# Altium PCB SCCM.PcbDoc (part 1 of 2)
Units mm, origin at the board's own origin, x right, y up, seen from the top; angles counter-clockwise.
Board outline 70.99 x 61.72 mm, 2 copper layers (Top Layer, Bottom Layer), stack 1.671 mm thick; 172 components, 92 nets, 528 pads, 418 vias.
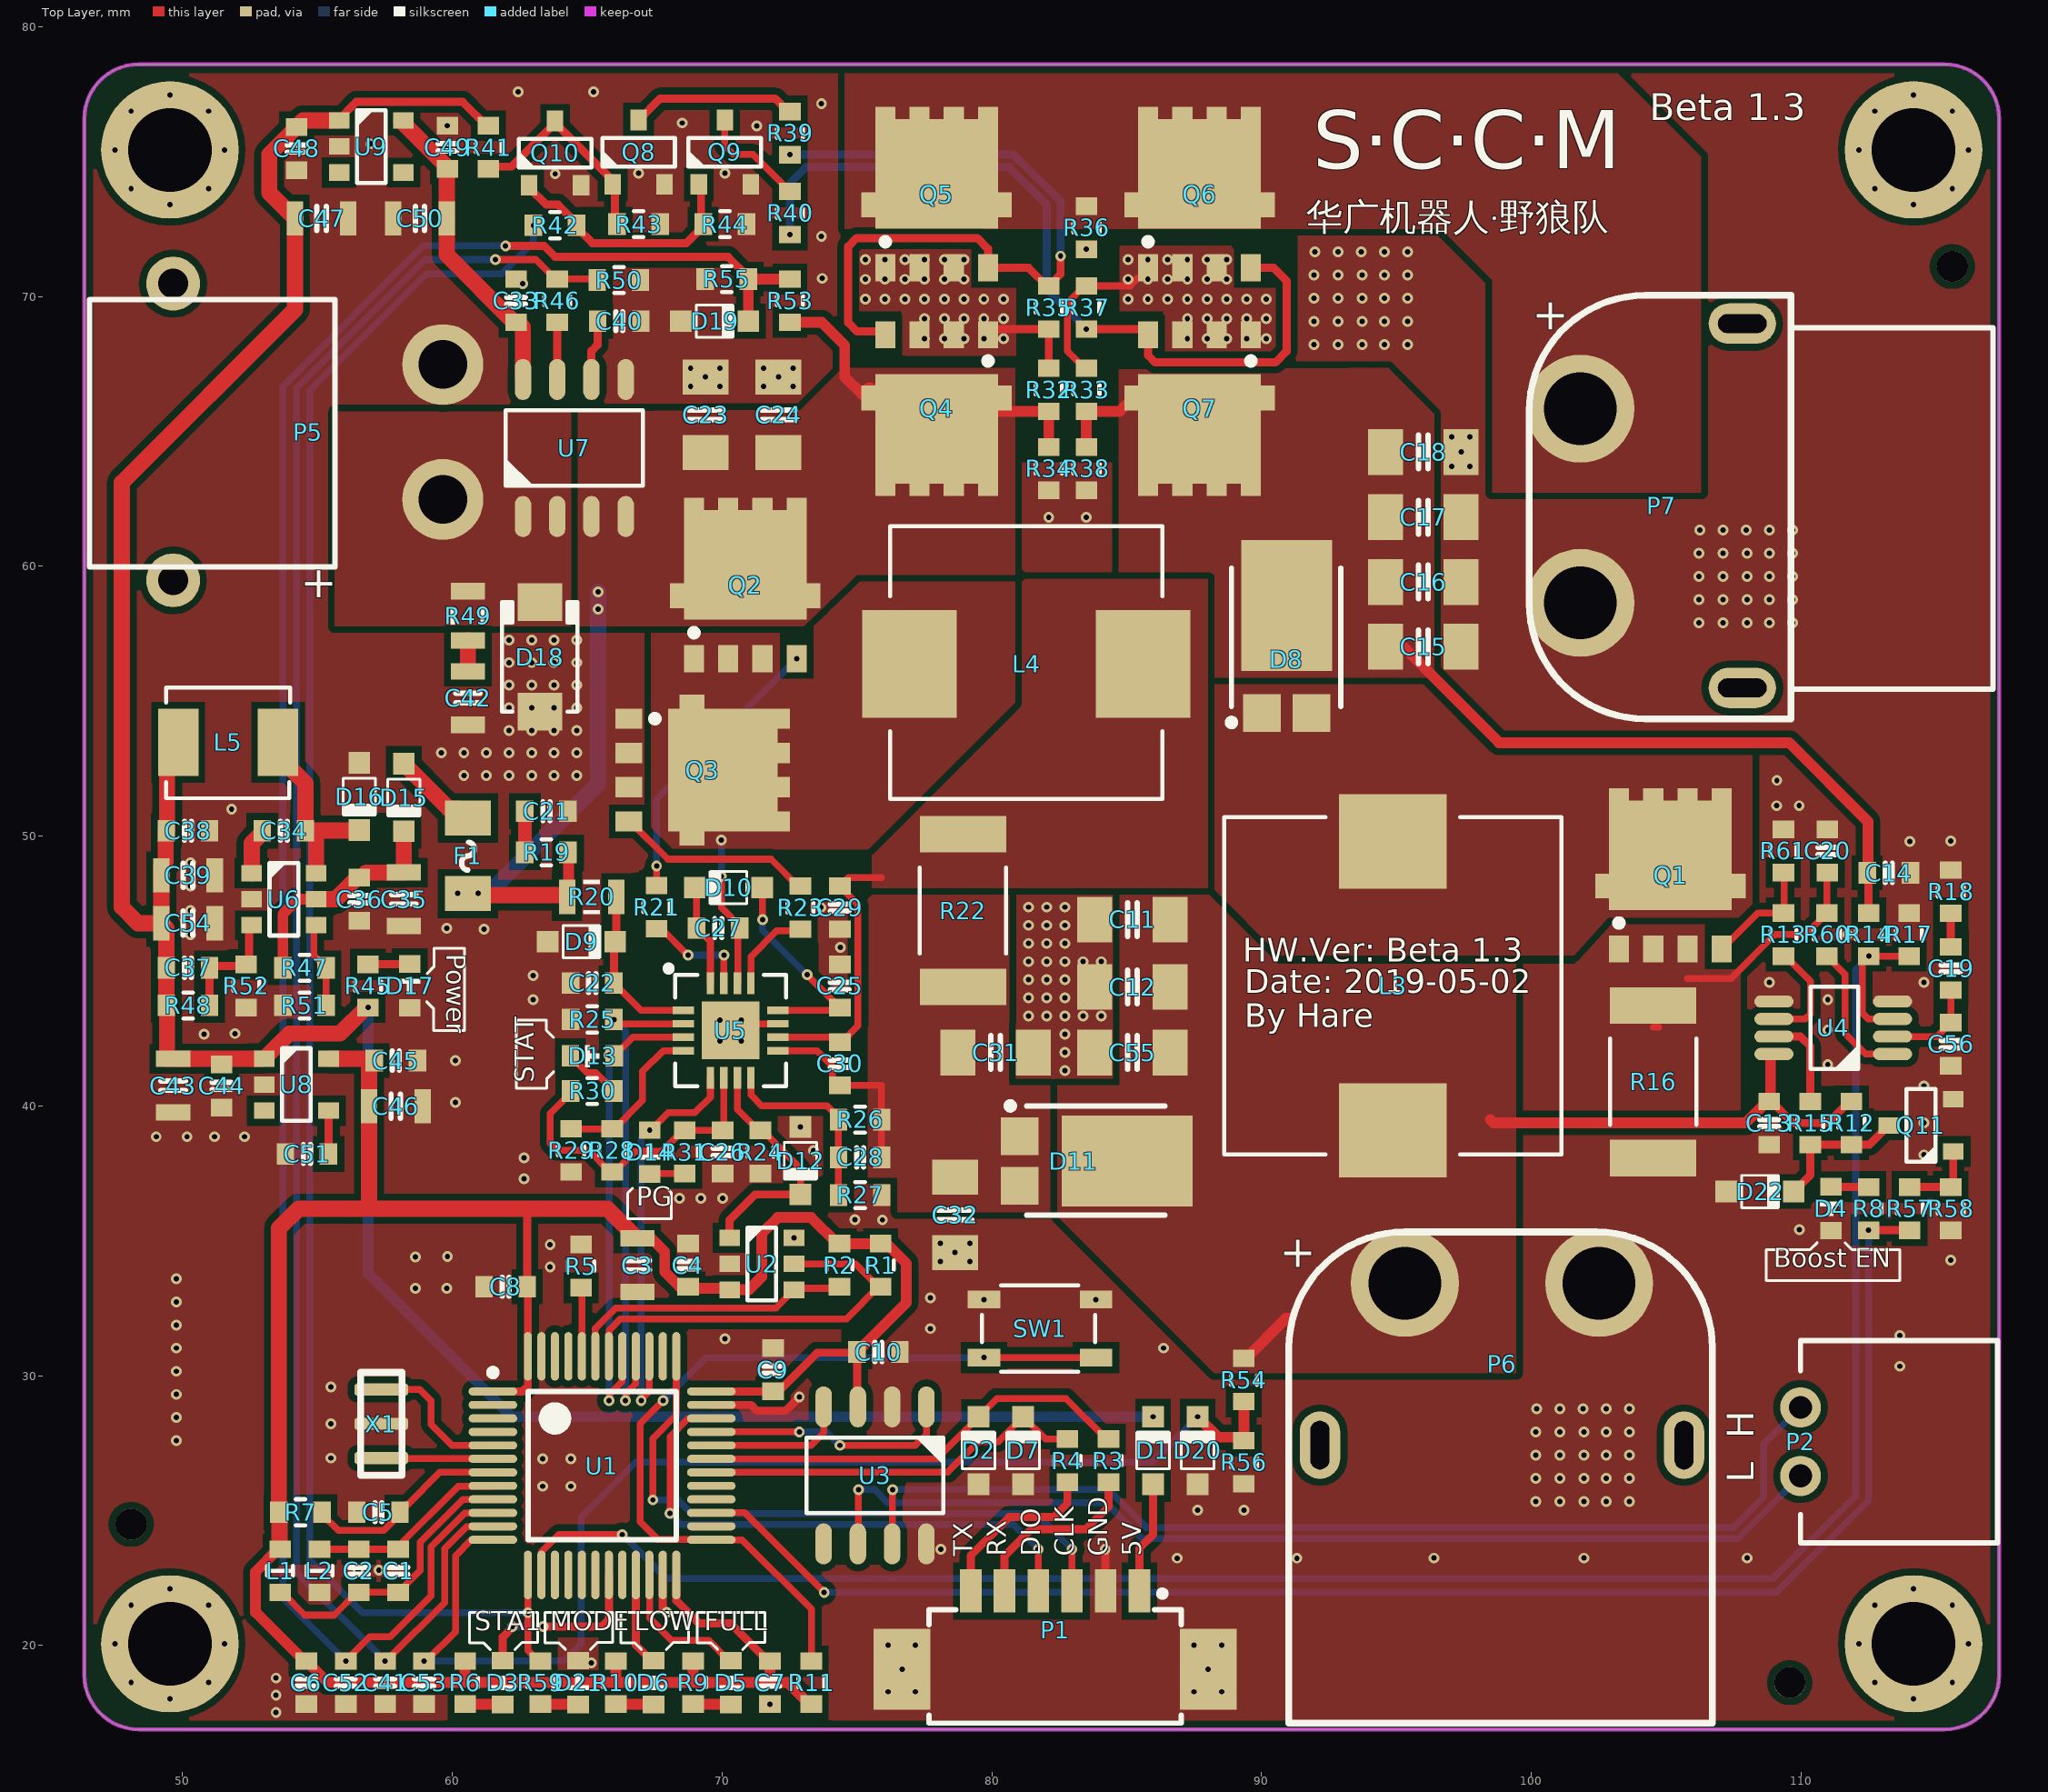
[diagram p0: Top Layer view]
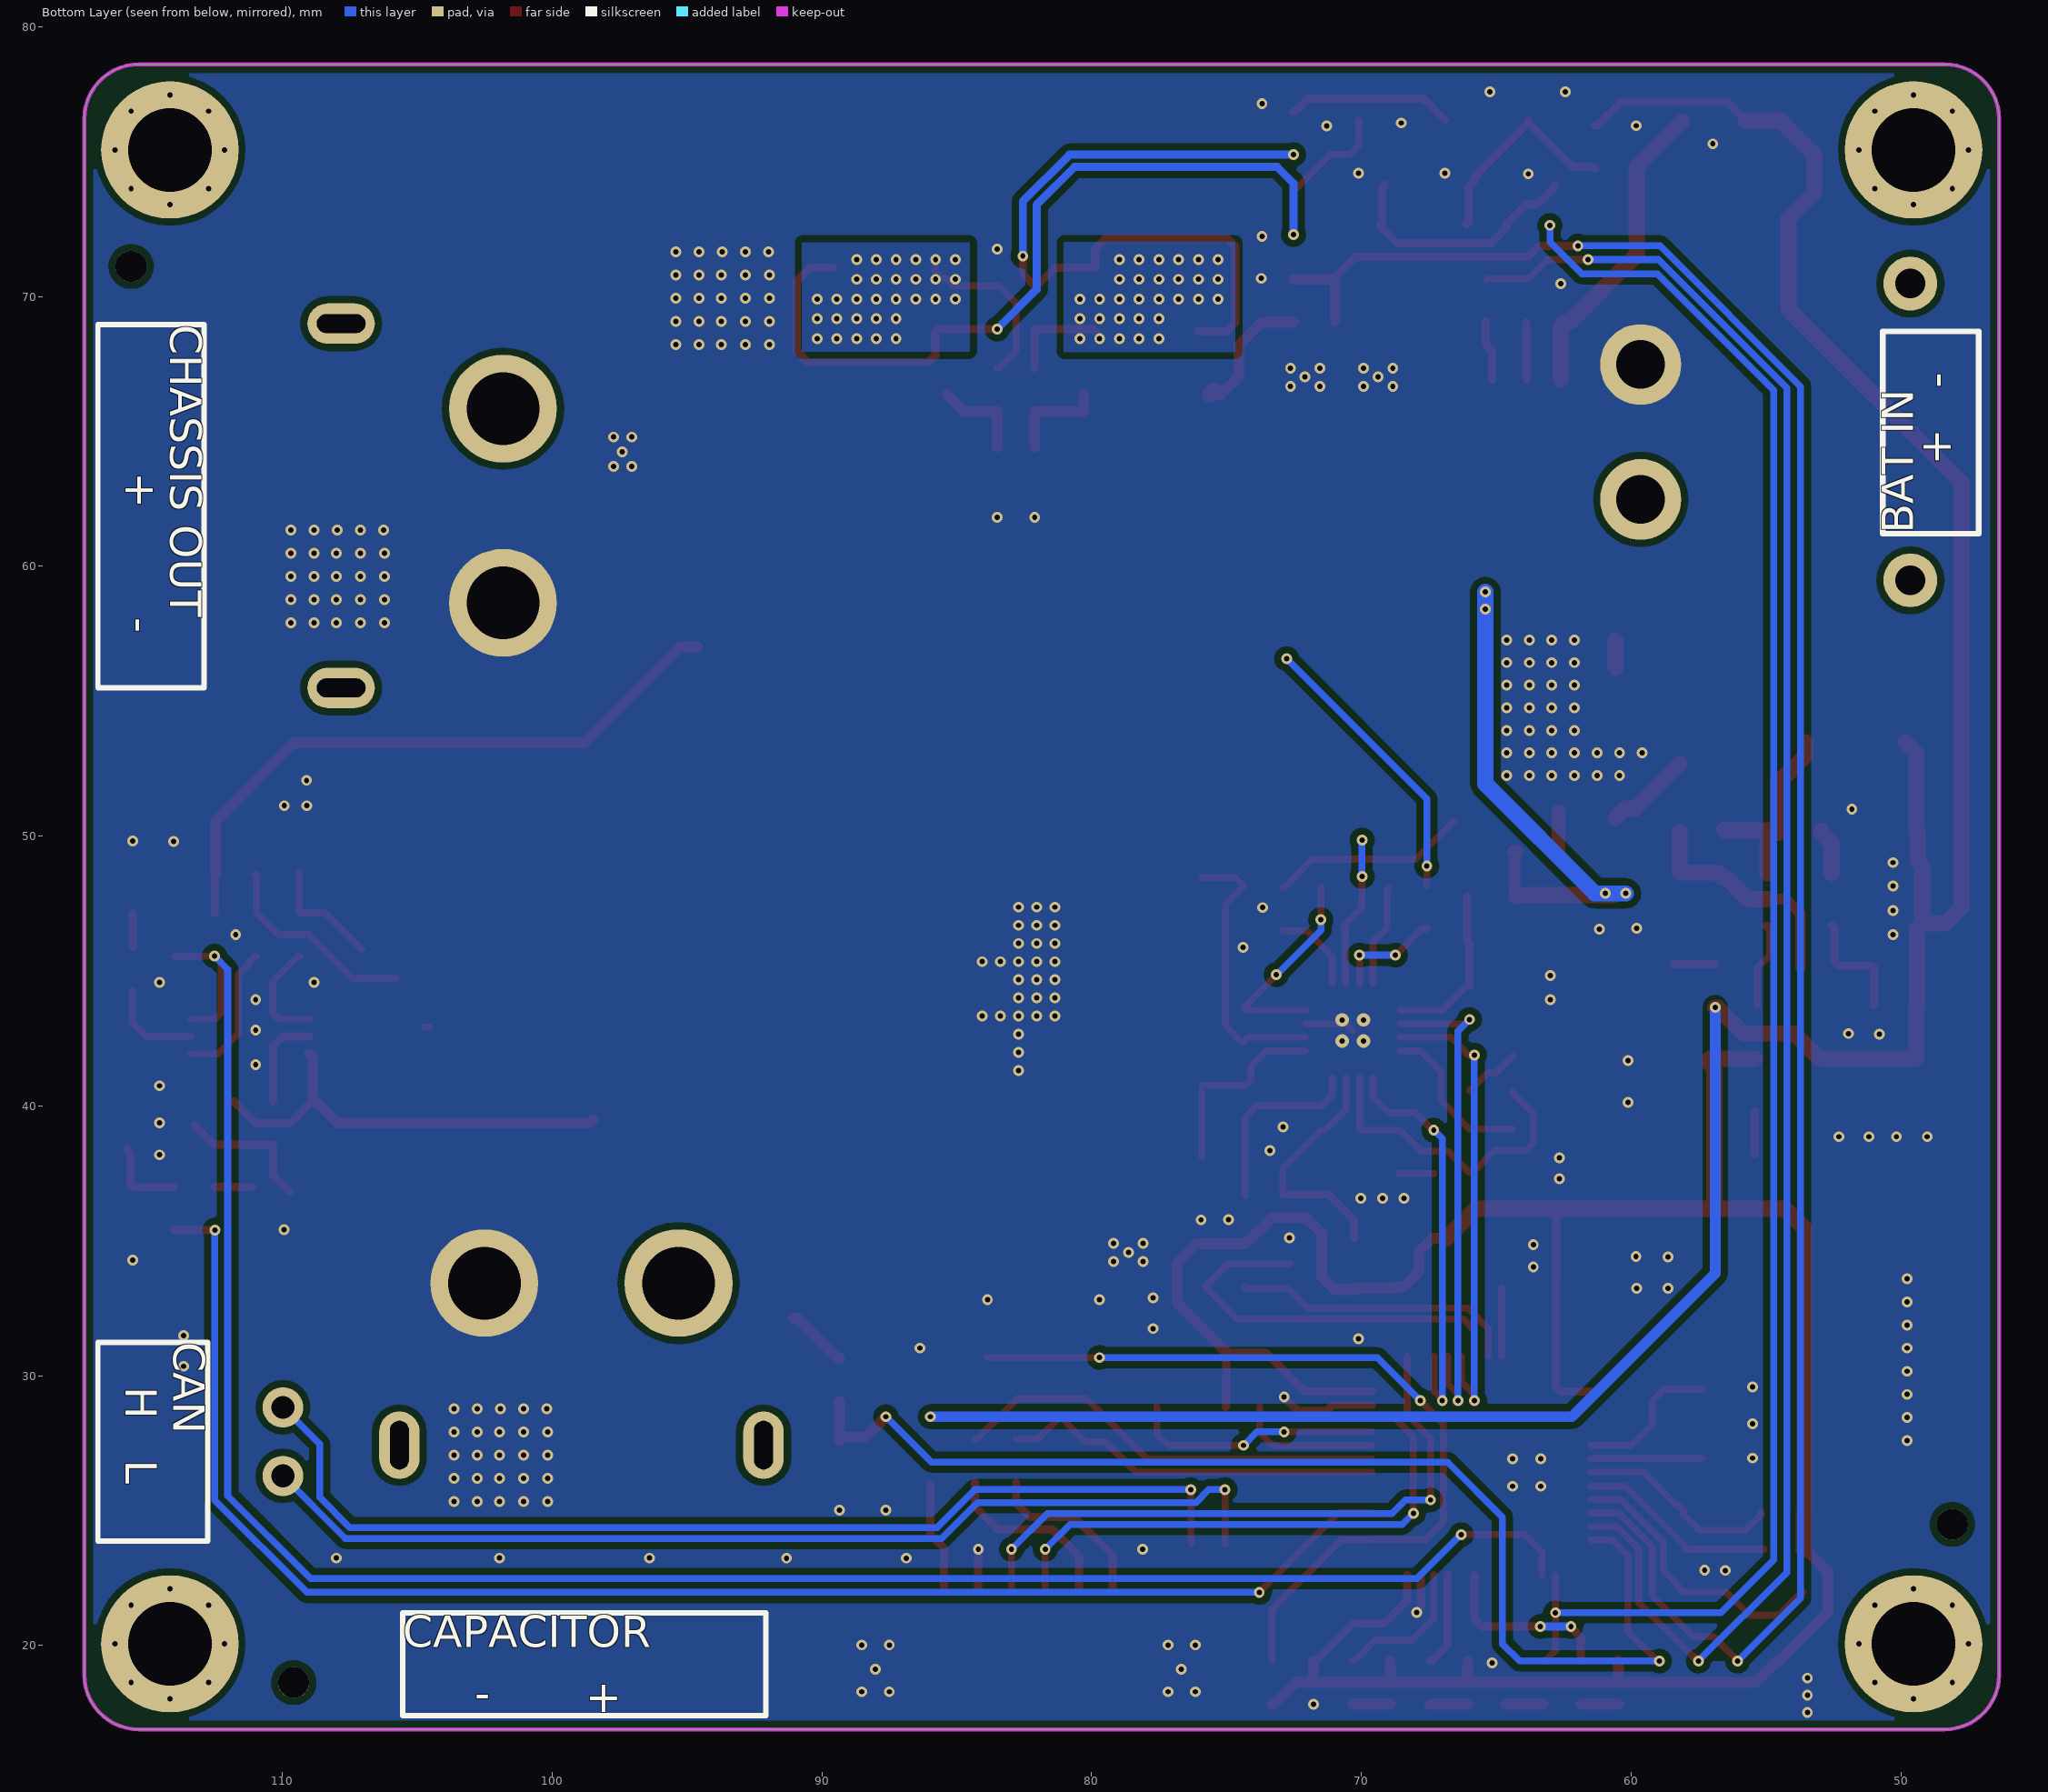
[diagram p1: Bottom Layer view, seen from below]
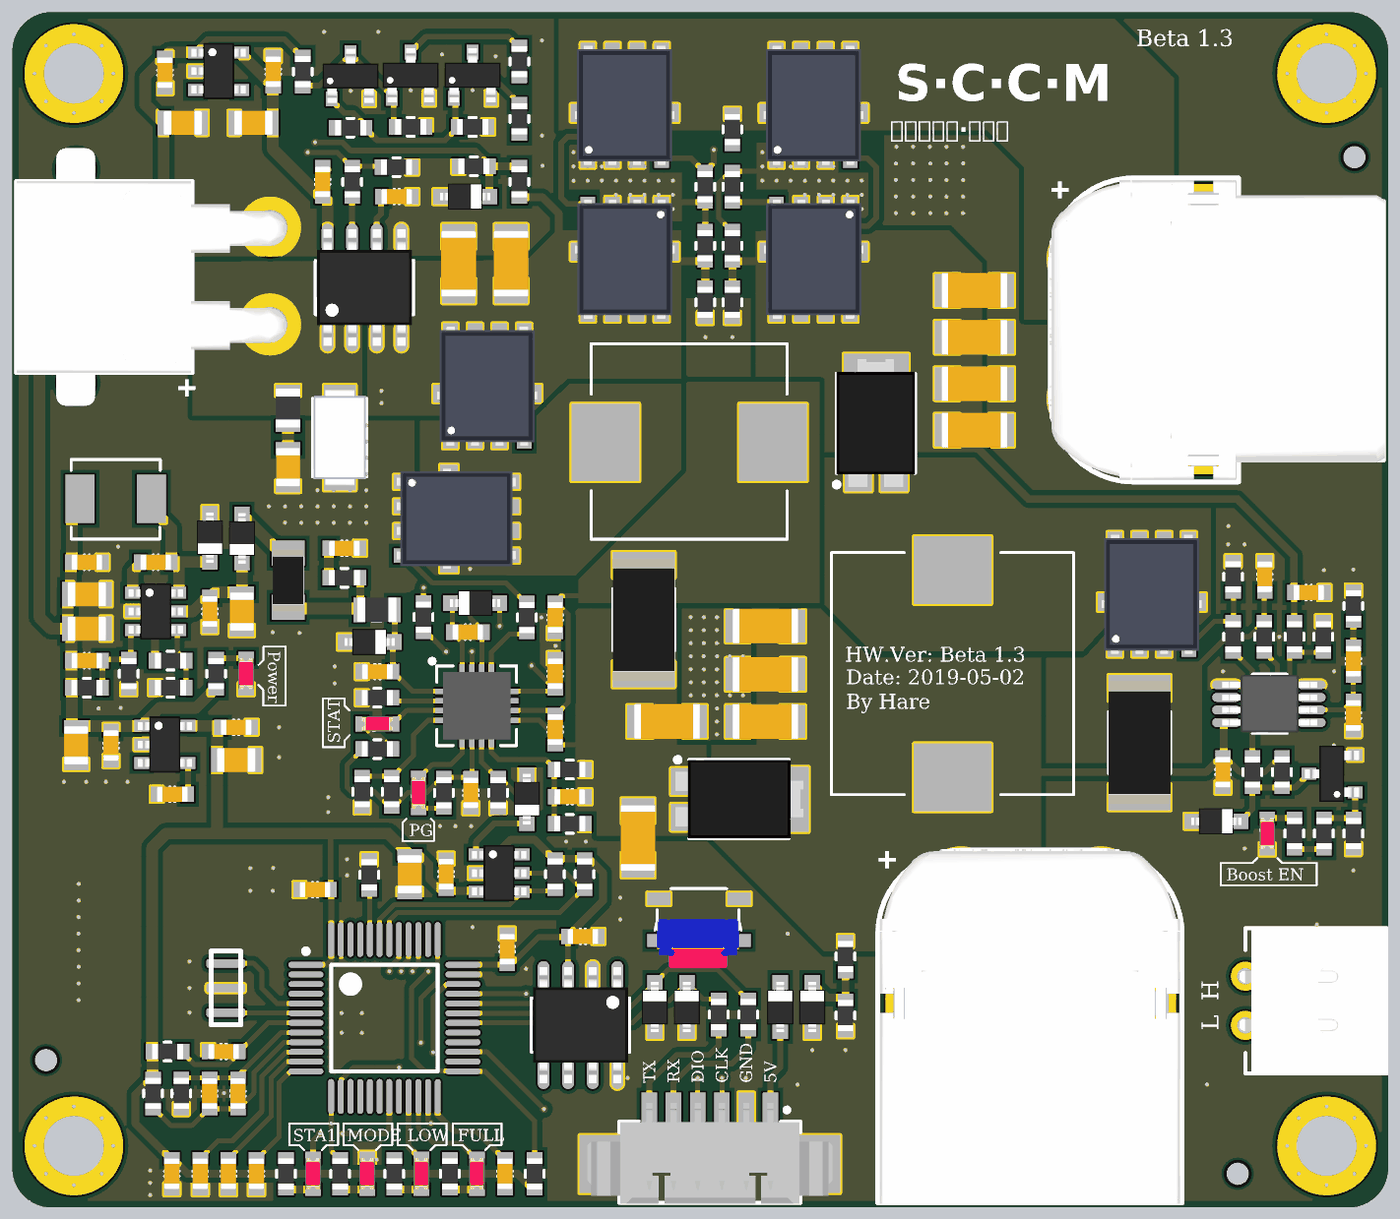
[diagram p3: 3D render of the assembled board from above, using the file's embedded part models]

## Layer stack, top to bottom
Top Solder: solder mask 0.0102, Solder Resist, Dk 3.5
Top Layer: signal copper 0.0356
Dielectric 1: dielectric 1.6, FR-4, Dk 4.8
Bottom Layer: signal copper 0.0356
Bottom Solder: solder mask 0.0102, Solder Resist, Dk 3.5

## Board outline
48.387,16.891 cw(c48.387,18.923) 46.355,18.923 46.355,76.581 cw(c48.387,76.581) 48.387,78.613 52.197,78.613 115.316,78.613 cw(c115.316,76.581) 117.348,76.581 117.348,18.923 cw(c115.316,18.923) 115.316,16.891 110.109,16.891

## Design rules (kind name [scope] priority, off if disabled: settings)
Clearance Clearance_Polyon [InPolygon] p1: gap=0.254 ignorepadtopadclearanceinfootprint=FALSE except(0: Arc-Hole Track-Hole SMDPad-Hole THPad-Hole Via-Hole Fill-Hole Poly-Hole Region-Hole Text-Hole)
Clearance [All] p2: gap=0.15 ignorepadtopadclearanceinfootprint=FALSE except(0: Arc-Hole Track-Hole SMDPad-Hole THPad-Hole Via-Hole Fill-Hole Poly-Hole Region-Hole Text-Hole)
ComponentClearance [All] p1 off: gap=0.254 collisioncheckmode=3 verticalgap=2540 showdistances=FALSE
HoleToHoleClearance [All] p1: gap=0.1 allowstackedmicrovias=TRUE
PlaneClearance [All] p1: clearance=0.254
PlaneConnect [All] p1: planeconnectstyle=Direct reliefexpansion=0.508 reliefentries=4 reliefconductorwidth=0.254 reliefairgap=0.254
PolygonConnect PolygonConnect_PORT [HasFootprint('Molex-53261-0471')] p1 off: connectstyle=Relief reliefconductorwidth=0.254 reliefentries=4 polygonreliefangle="90 Angle" airgapwidth=0.254
PolygonConnect PolygonConnect_BTN [HasFootprint('KEY-YD-3414')] p2 off: connectstyle=Relief reliefconductorwidth=0.254 reliefentries=4 polygonreliefangle="90 Angle" airgapwidth=0.254
PolygonConnect PolygonConnect_CAP [HasFootprint('CAP-0603-L')] p3 off: connectstyle=Relief reliefconductorwidth=0.254 reliefentries=4 polygonreliefangle="90 Angle" airgapwidth=0.254
PolygonConnect PolygonConnect_Res [HasFootprint('R-0603-L')] p4 off: connectstyle=Relief reliefconductorwidth=0.4 reliefentries=4 polygonreliefangle="90 Angle" airgapwidth=0.254
PolygonConnect [All] p5: connectstyle=Direct reliefconductorwidth=10 reliefentries=4 polygonreliefangle="45 Angle" airgapwidth=0
RoutingPriority RoutingPriority_GND [InNet('GND')] p1: routingpriority=0
RoutingPriority [All] p2: routingpriority=1
RoutingVias [All] p1: holewidth=0.3 width=0.6 viastyle="Through Hole" minholewidth=0.2 minwidth=0.4 maxholewidth=0.711 maxwidth=1.27
SilkToSilkClearance [All] p1: silktosilkclearance=0
SilkToSolderMaskClearance [IsPad] p1: minsilkscreentomaskgap=0.1 clearancetoexposedcopper=TRUE
SolderMaskExpansion [All] p1: expansion=0.102
Width [All] p1: maxlimit=3.81 minlimit=0.1 preferedwidth=0.3
23 further rules are at their usual default settings.

## Classes and differential pairs
component class PowerPath: Q4 Q5 Q6 Q7 Q8 Q9 Q10 R32 R33 R34 R35 R36 R37 R38 R39 R40 R41 R42 R43 R44
component class Buck: C21 C22 C23 C24 C25 C26 C27 C28 C29 C30 C31 C32 D9 D10 D11 D12 D13 D14 L4 Q2 Q3 R19 R20 R21 R22 R23 R24 R25 R26 R27 R28 R29 R30 R31 U5
component class Boost: C11 C12 C13 C14 C15 C16 C17 C18 C19 C20 C55 C56 D8 D22 L3 Q1 Q11 R12 R13 R14 R15 R16 R17 R18 R57 R58 R60 R61 U4
component class MCU: C1 C2 C3 C4 C5 C6 C7 C8 C9 C10 D1 D2 D3 D4 D5 D6 D7 D21 L1 L2 P1 P2 R1 R2 R3 R4 R5 R6 R7 R8 R9 R10 R11 R59 SW1 U1 U2 U3 X1
component class Power: C33 C34 C35 C36 C37 C38 C39 C40 C41 C42 C43 C44 C45 C46 C47 C48 C49 C50 C51 C52 C53 C54 D15 D16 D17 D18 D19 D20 F1 L5 P5 P6 P7 R45 R46 R47 R48 R49 R50 R51 R52 R53 R54 R55 R56 U6 U7 U8 U9

## Components (designator, comment, footprint, x,y, rotation, side; value= is the part's Value field where it differs from the comment)
C1 "1uF" CAP-0603-L 57.994,22.771 r270 top
C2 "0.1uF" CAP-0603-L 56.535,22.771 r270 top
C3 "10uF" CAP-0805-L 66.858,34.099 r90 top
C4 "0.1uF" CAP-0603-L 68.739,34.099 r270 top
C5 "0.1uF" CAP-0603-L 57.259,24.942 r0 top
C6 "4.7uF" CAP-0603-L 54.585,18.629 r90 top
C7 "0.1uF" CAP-0603-L 71.777,18.629 r90 top
C8 "0.1uF" CAP-0603-L 61.976,33.299 r0 top
C9 "0.1uF" CAP-0603-L 71.89,30.226 r270 top
C10 "0.1uF" CAP-0603-L 75.798,30.881 r180 top
C11 "100uF" CAP-1206-L 85.217,46.908 r0 top
C12 "100uF" CAP-1206-L 85.217,44.413 r0 top
C13 "0.1uF" CAP-0603-L 108.823,39.37 r90 top
C14 "0.1uF" CAP-0603-L 113.255,48.641 r180 top
C15 "100uF" CAP-1206-L 95.998,57.022 r180 top
C16 "100uF" CAP-1206-L 95.998,59.422 r180 top
C17 "100uF" CAP-1206-L 95.998,61.822 r180 top
C18 "100uF" CAP-1206-L 95.998,64.242 r180 top
C19 "220nF" CAP-0603-L 115.554,45.094 r270 top
C20 "14pF" CAP-0603-L 110.981,49.454 r270 top
C21 "2.2uF" CAP-0603-L 63.488,50.927 r0 top
C22 "0.1uF" CAP-0603-L 65.189,44.558 r180 top
C23 "100uF" CAP-1206-L 69.387,65.621 r270 top
C24 "100uF" CAP-1206-L 72.09,65.621 r270 top
C25 "0.1uF" CAP-0603-L 74.366,44.45 r90 top
C26 "0.1uF" CAP-0603-L 70.019,38.297 r270 top
C27 "0.1uF" CAP-0603-L 69.859,46.597 r180 top
C28 "22pF" CAP-0603-L 75.119,38.097 r0 top
C29 "0.1uF" CAP-0603-L 74.366,47.354 r90 top
C30 "0.1uF" CAP-0603-L 74.367,41.567 r90 top
C31 "100uF" CAP-1206-L 80.137,41.985 r180 top
C32 "100uF" CAP-1206-L 78.638,35.969 r90 top
C33 "0.1uF" CAP-0603-L 62.366,69.85 r90 top
C34 "0.1uF" CAP-0603-L 53.757,50.204 r0 top
C35 "10uF" CAP-0805-L 58.202,47.664 r90 top
C36 "0.1uF" CAP-0603-L 56.551,47.664 r90 top
C37 "47pF" CAP-0603-L 50.201,45.124 r180 top
C38 "0.1uF" CAP-0603-L 50.201,50.204 r180 top
C39 "10uF" CAP-0805-L 50.201,48.553 r180 top
C40 "0.1uF" CAP-0603-L 66.187,69.088 r180 top
C41 "150pF" CAP-0603-L 57.508,18.629 r90 top
C42 "10nF" CAP-0805-L 60.582,55.118 r90 top
C43 "10uF" CAP-0805-L 49.65,40.756 r90 top
C44 "0.1uF" CAP-0603-L 51.446,40.745 r90 top
C45 "0.1uF" CAP-0603-L 57.905,41.682 r180 top
C46 "10uF" CAP-0805-L 57.905,39.993 r180 top
C47 "10uF" CAP-0805-L 55.154,72.898 r180 top
C48 "0.1uF" CAP-0603-L 54.229,75.489 r90 top
C49 "0.1uF" CAP-0603-L 59.817,75.535 r270 top
C50 "10uF" CAP-0805-L 58.801,72.898 r0 top
C51 "22nF" CAP-0603-L 54.61,38.224 r0 top
C52 "150pF" CAP-0603-L 56.051,18.629 r90 top
C53 "150pF" CAP-0603-L 58.95,18.629 r90 top
C54 "10uF" CAP-0805-L 50.201,46.775 r180 top
C55 "100uF" CAP-1206-L 85.217,41.981 r0 top
C56 "15nF" CAP-0603-L 115.554,42.291 r90 top
D1 "B5819WS" SOD_323 85.979,27.233 r270 top
D2 "BZT52C3V9S" SOD_323 79.51,27.233 r270 top
D3 "LED_B" LED_0603-L 61.871,18.629 r270 top
D4 "LED_R" LED_0603-L 111.109,36.195 r90 top